# Altium PCB MEA_CLDP.PcbDoc (part 3 of 3)
Units mm, origin at the board's own origin, x right, y up, seen from the top; angles counter-clockwise.
Board outline 188.25 x 87.5 mm, 4 copper layers (Top Copper Layer, Internal Copper Layer 1, Internal Copper Layer 2, Bottom Copper Layer), stack 1.58 mm thick; 138 components, 326 nets, 1047 pads, 188 vias.
Unrouted connection lines stored in the file: 1.
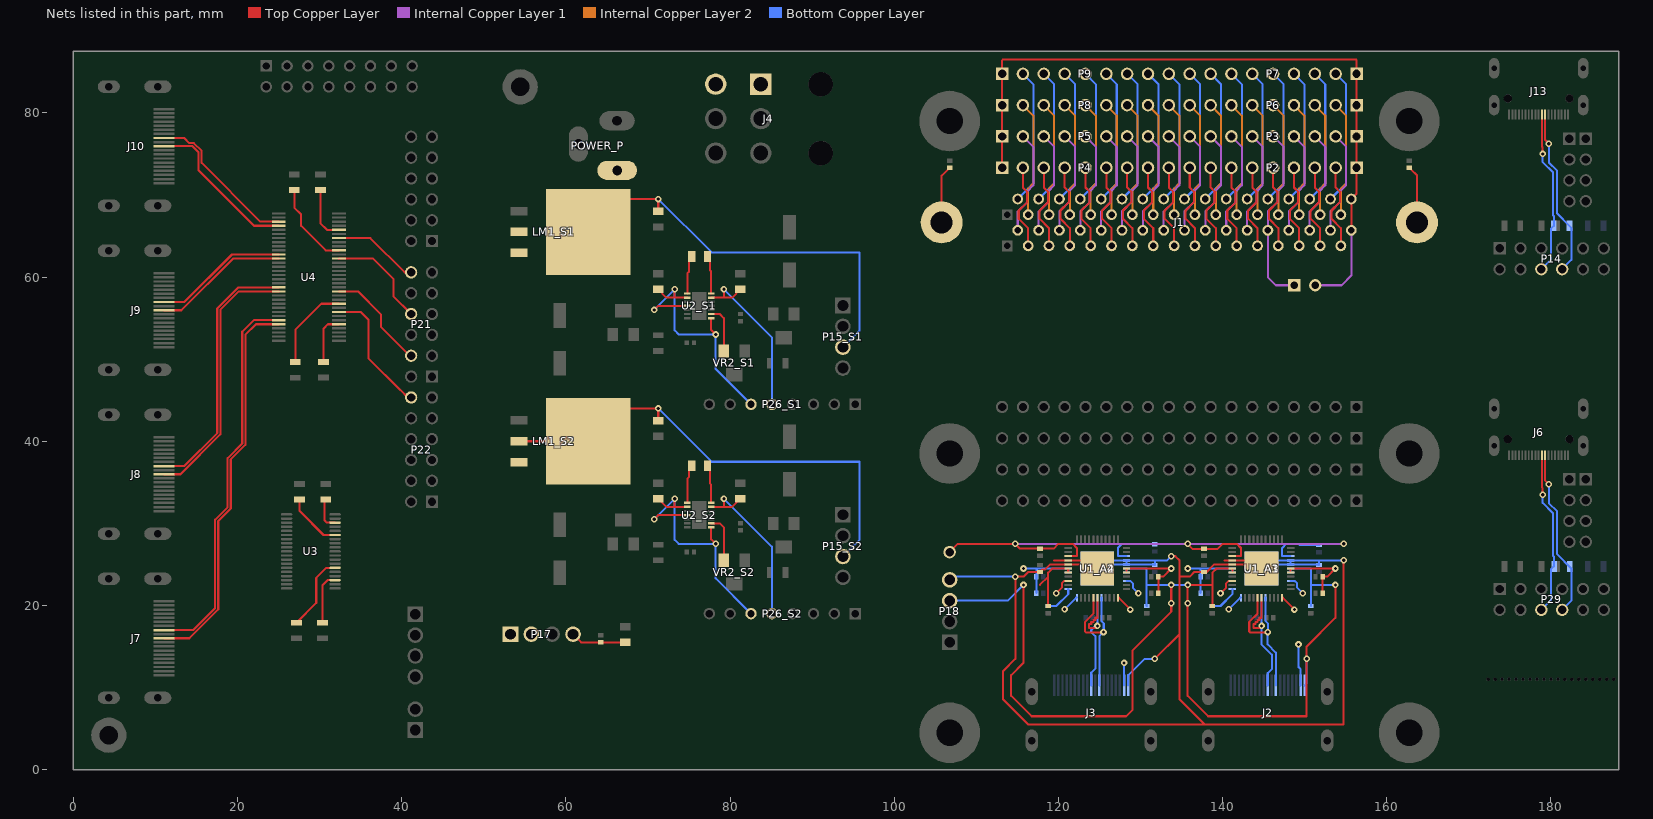
[diagram p5: the nets of this part, all layers, seen from the top]

## Via types
v1: diameter 0.8, hole 0.4, Top Copper Layer to Bottom Copper Layer, 101 vias
v2: diameter 1.27, hole 0.711, Top Copper Layer to Bottom Copper Layer, 67 vias
v3: diameter 0.6, hole 0.25, Top Copper Layer to Bottom Copper Layer, 20 vias

## Nets (pads, with @x,y where several pads share a name; then routed paths per layer and width w, separated by ;. In a path a pad name is that pad's centre, name@x,y a point inside that pad or via, vN(x,y) a via of type N, cw(c..) or ccw(c..) an arc to the next point about the centre after c; other vN are vias at no path point) (continued)
NetC2_A3_2: C2_A3.2 U1_A3.23 | length 3.7
  Bottom Copper Layer w0.25: C2_A3.2@138.75,19.93 139.75,19.93 141.2,21.38 U1_A3.23@141.2,22
NetC2_A4_2: C2_A4.2 U1_A4.23 | length 3.7
  Bottom Copper Layer w0.25: C2_A4.2@118.75,19.93 119.75,19.93 121.2,21.38 U1_A4.23@121.2,22
NetC10_S1_1: C10_S1.1 U2_S1.8 | length 4.7
  Top Copper Layer w0.25: U2_S1.8@74.798,58.003 74.798,60.452 75.025,60.68 75.025,62.178 C10_S1.1@75.35,62.503
NetC10_S1_2: C10_S1.2 U2_S1.7 | length 4.7
  Top Copper Layer w0.25: C10_S1.2@77.25,62.503 77.575,62.178 77.575,60.83 77.702,60.702 U2_S1.7@77.702,58.003
NetC10_S2_1: C10_S2.1 U2_S2.8 | length 4.7
  Top Copper Layer w0.25: U2_S2.8@74.798,32.503 74.798,35.452 75.025,35.68 75.025,36.678 C10_S2.1@75.35,37.003
NetC10_S2_2: C10_S2.2 U2_S2.7 | length 4.7
  Top Copper Layer w0.25: C10_S2.2@77.25,37.003 77.575,36.678 77.575,34.83 77.702,34.702 U2_S2.7@77.702,32.503
NetJ1_69: J1.69 R25.2 | length 7.1
  Top Copper Layer w0.25: R25.2@162.75,73.323 162.83,73.323 162.975,73.178 162.975,73.098 163.685,72.388 J1.69@163.685,66.656
NetJ1_70: J1.70 R26.2 | length 7.1
  Top Copper Layer w0.25: J1.70@105.775,66.656 105.775,72.348 106.525,73.098 106.525,73.178 106.67,73.323 R26.2@106.75,73.323
NetR1_1: R1.1 U4.5 | length 6.2
  Top Copper Layer w0.254: R1.1@30.48,49.657 30.48,53.721 31.013,54.254 U4.5@32.36,54.254
NetR2_1: R2.1 U4.10 | length 10.6
  Top Copper Layer w0.254: R2.1@27.051,49.652 27.051,53.594 30.211,56.754 U4.10@32.36,56.754
NetR6_1: R6.1 U3.36 | length 4
  Top Copper Layer w0.254: R6.1@30.734,32.898 30.607,32.771 30.607,30.353 30.877,30.083 U3.36@31.877,30.083
NetR10_1: R10.1 U4.23 | length 10.6
  Top Copper Layer w0.254: R10.1@26.924,70.612 26.924,68.44 27.742,67.622 27.742,66.238 30.726,63.254 U4.23@32.36,63.254
NetR11_1: R11.1 U3.33 | length 6.9
  Top Copper Layer w0.254: R11.1@27.559,32.898 27.559,31.504 30.48,28.583 U3.33@31.877,28.583
NetR14_1: R14.1 U4.28 | length 6.7
  Top Copper Layer w0.254: R14.1@30.099,70.612 30.099,66.548 30.893,65.754 U4.28@32.36,65.754
NetR15_1: R15.1 U3.25 | length 9.3
  Top Copper Layer w0.254: R15.1@27.178,17.902 29.591,20.315 29.591,23.368 30.806,24.583 U3.25@31.877,24.583
NetR16_1: R16.1 U3.22 | length 6.4
  Top Copper Layer w0.254: R16.1@30.353,17.902 30.353,22.479 30.957,23.083 U3.22@31.877,23.083
NetU2_S1_2: U2_S1.2 VR2_S1.3 | length 5.8
  Top Copper Layer w0.25: U2_S1.2@77.702,55.503 78.75,55.503 79.25,55.003 VR2_S1.3@79.25,51.003
NetU2_S2_2: U2_S2.2 VR2_S2.3 | length 5.8
  Top Copper Layer w0.25: U2_S2.2@77.702,30.003 78.75,30.003 79.25,29.503 VR2_S2.3@79.25,25.503
pcGND: C12.1 C13.1 P17.4 | length 6.8
  Top Copper Layer w0.25: P17.4@60.87,16.503 61.87,15.503 C13.1@64.25,15.503 C12.1@67.25,15.503
Power_in_S1: C8_S1.2 C8_S2.2 J4.1 J4.4 LM1_S1.3 LM1_S2.3 P17.1 P17.2 P26_S1.6 P26_S2.6 POWER_P.1 U2_S1.1 U2_S1.9 U2_S1.11 U2_S2.1 U2_S2.9 U2_S2.11 | length 70.9
  Top Copper Layer w0.25: v1(70.75,30.503) 71.25,31.003 U2_S2.11@74.798,31.003 ; v1(70.75,56.003) 71.25,56.503 U2_S1.11@74.798,56.503 ; C8_S2.2@71.25,33.003 72.25,32.003 73.25,32.003 ; C8_S1.2@71.25,58.503 72.25,57.503 73.25,57.503 ; v1(73.25,33.003) 73.25,32.003 ; v1(73.25,58.503) 73.25,57.503 ; U2_S2.9@74.798,32.003 73.25,32.003 ; U2_S1.9@74.798,57.503 73.25,57.503 ; U2_S2.1@77.702,29.503 77.702,28.051 v1(78.25,27.503) ; U2_S1.1@77.702,55.003 77.702,53.551 v1(78.25,53.003)
  Bottom Copper Layer w0.25: v1(70.75,30.503) v1(73.25,33.003) 73.25,28.003 73.75,27.503 v1(78.25,27.503) 78.25,23.303 P26_S2.6@82.55,19.003 ; v1(70.75,56.003) v1(73.25,58.503) 73.25,53.503 73.75,53.003 v1(78.25,53.003) 78.25,48.803 P26_S1.6@82.55,44.503
Power_neg_S1: C7_S1.2 P26_S1.5 U2_S1.6 | length 21.4
  Top Copper Layer w0.25: U2_S1.6@77.702,57.503 79.25,57.503 ; v1(79.25,58.503) 79.25,57.503 ; C7_S1.2@81.25,58.503 80.25,57.503 79.25,57.503
  Bottom Copper Layer w0.25: v1(79.25,58.503) 85.09,52.663 P26_S1.5@85.09,44.503
Power_neg_S2: C7_S2.2 P26_S2.5 U2_S2.6 | length 21.4
  Top Copper Layer w0.25: U2_S2.6@77.702,32.003 79.25,32.003 ; v1(79.25,33.003) 79.25,32.003 ; C7_S2.2@81.25,33.003 80.25,32.003 79.25,32.003
  Bottom Copper Layer w0.25: v1(79.25,33.003) 85.09,27.163 P26_S2.5@85.09,19.003
powerVDD_S1: C44_S1.2 LM1_S1.2 P15_S1.3 | length 51.2
  Top Copper Layer w0.25: LM1_S1.2@62.75,65.503 66.75,69.503 v1(71.25,69.503) C44_S1.2@71.25,68.003
  Bottom Copper Layer w0.25: v1(71.25,69.503) 77.75,63.003 95.75,63.003 95.75,53.463 P15_S1.3@93.75,51.463
powerVDD_S2: C44_S2.2 LM1_S2.2 P15_S2.3 | length 59.7
  Top Copper Layer w0.25: LM1_S2.2@54.3,40.003 LM1_S2.2@62.75,40.003 66.75,44.003 v1(71.25,44.003) C44_S2.2@71.25,42.503
  Bottom Copper Layer w0.25: v1(71.25,44.003) 77.75,37.503 95.75,37.503 95.75,27.963 P15_S2.3@93.75,25.963
Ref_Output: J1.1 J1.35 JP1.2 P2.1 P3.1 P4.1 P5.1 P6.1 P7.1 P8.1 P9.1 | length 87.7
  Top Copper Layer w0.25: P4.1@113.14,73.323 P5.1@113.14,77.133 P8.1@113.14,80.943 P9.1@113.14,84.753 113.14,86.393 113.25,86.503 156.25,86.503 156.32,86.433 P7.1@156.32,84.753 P6.1@156.32,80.943 P3.1@156.32,77.133 P2.1@156.32,73.323 156.32,70.148 J1.35@155.685,69.513 J1.1@155.685,65.703
  Internal Copper Layer 1 w0.25: JP1.2@151.29,59.003 154.5,59.003 155.685,60.188 J1.1@155.685,65.703
SCLK1_1_N: J13.12 P14.10 R18.1 | length 20.6
  Top Copper Layer w0.25: J13.12@179.3,79.8 179.3,76.7 v1(179.75,76.25)
  Bottom Copper Layer w0.25: v1(179.75,76.25) 179.75,73.957 180.75,72.957 180.75,67.75 R18.1@182.25,66.25 182.5,66 182.5,62.09 P14.10@181.37,60.96
SCLK1_1_P: J13.11 P14.9 R18.2 | length 20.1
  Top Copper Layer w0.25: J13.11@178.9,79.8 178.9,75.9 179,75.8 v1(179,75)
  Bottom Copper Layer w0.25: P14.9@178.83,60.96 180,62.13 180,65.9 R18.2@180.35,66.25 180.35,67.443 180.25,67.543 180.25,72.75 179,74 v1(179,75)
SCLK1_2_N: J6.12 P29.10 R23.1 | length 20.6
  Top Copper Layer w0.25: J6.12@179.3,38.3 179.3,35.2 v1(179.75,34.75)
  Bottom Copper Layer w0.25: v1(179.75,34.75) 179.75,32.457 180.75,31.457 180.75,26.25 182.5,24.5 182.5,20.59 P29.10@181.37,19.46
SCLK1_2_P: J6.11 P29.9 R23.2 | length 20.1
  Top Copper Layer w0.25: J6.11@178.9,38.3 178.9,34.4 179,34.3 v1(179,33.5)
  Bottom Copper Layer w0.25: P29.9@178.83,19.46 180,20.63 180,24.4 180.35,24.75 180.35,25.943 180.25,26.043 180.25,31.25 179,32.5 v1(179,33.5)
SCLK1_N: J7.12 U4.59 | length 47.4
  Top Copper Layer w0.254: J7.12@11.047,17.002 14.589,17.002 17.272,19.685 17.272,30.449 18.796,31.973 18.796,37.95 20.574,39.728 20.574,53.34 21.988,54.754 U4.59@25.019,54.754
SCLK1_P: J7.10 U4.60 | length 47.5
  Top Copper Layer w0.254: J7.10@11.047,16.002 14.128,16.002 17.653,19.527 17.653,30.291 19.177,31.815 19.177,37.792 20.955,39.57 20.955,52.959 22.25,54.254 U4.60@25.019,54.254
SCLK1_SE: P22.12 U4.8 | length 15.9
  Top Copper Layer w0.254: U4.8@32.36,55.754 35.02,55.754 35.941,54.833 35.941,50.134 39.847,46.228 39.878,46.228 40.767,45.339 P22.12@41.148,45.339
SCLK1h_N: J2.12 U1_A1.16 U1_A3.16 | length 18.1
  Top Copper Layer w0.25: U1_A1.16@144.25,20.95 144.25,19 143.25,18 143.25,16.82 143.345,16.725 145.46,16.725 v1(145.492,16.758)
  Bottom Copper Layer w0.25: U1_A3.16@145.25,20.95 145.25,20.375 145.25,18.096 145.525,17.821 145.525,16.79 v1(145.492,16.758) 145.492,15.258 146.5,14.25 J2.12@146.5,10.26
SCLK1h_P: J2.10 U1_A1.17 U1_A3.17 | length 17.3
  Top Copper Layer w0.25: v1(144.75,17.5) 144.5,17.25 143.75,17.25 143.75,17.75 144,17.75 144,18 144.25,18 144.25,18.25 144.5,18.25 144.5,18.5 144.75,18.5 U1_A1.17@144.75,20.95
  Bottom Copper Layer w0.25: U1_A3.17@144.75,20.95 144.75,20.375 v1(144.75,17.5) 144.75,17.111 144.717,17.079 144.717,15.283 146,14 146,12.25 145.5,11.75 J2.10@145.5,10.26 J2.10@145.5,10.25
SCLK2_N: J8.12 U4.51 | length 31.9
  Top Copper Layer w0.254: J8.12@11.047,36.983 13.519,36.983 17.526,40.99 17.526,56.169 20.111,58.754 U4.51@25.019,58.754
SCLK2_P: J8.10 U4.52 | length 32.1
  Top Copper Layer w0.254: J8.10@11.047,35.983 13.058,35.983 17.907,40.832 17.907,56.011 20.15,58.254 U4.52@25.019,58.254
SCLK2_SE: P21.4 U4.13 | length 12.9
  Top Copper Layer w0.254: U4.13@32.36,58.254 34.675,58.254 37.465,55.464 37.465,53.944 40.99,50.419 P21.4@41.148,50.419
SCLK2h_N: J3.12 U1_A2.16 U1_A4.16 | length 17.9
  Top Copper Layer w0.25: U1_A2.16@124.25,20.95 124.25,19 123.25,18 123.25,16.82 123.345,16.725 125.46,16.725 v1(125.492,16.758)
  Bottom Copper Layer w0.25: J3.12@125,10.26 125,16.265 v1(125.492,16.758) 125.525,16.79 125.525,17.821 125.25,18.096 125.25,20.375 U1_A4.16@125.25,20.95
SCLK2h_P: J3.10 U1_A2.17 U1_A4.17 | length 17.4
  Top Copper Layer w0.25: v1(124.75,17.5) 124.5,17.25 123.75,17.25 123.75,17.75 124,17.75 124,18 124.25,18 124.25,18.25 124.5,18.25 124.5,18.5 124.75,18.5 U1_A2.17@124.75,20.95
  Bottom Copper Layer w0.25: J3.10@124,10.26 124,11.81 124.5,12.31 124.5,16.25 124,16.75 124,17 124.5,17.5 v1(124.75,17.5) 124.75,20.375 U1_A4.17@124.75,20.95
SCLK3_N: J9.12 U4.43 | length 16.4
  Top Copper Layer w0.254: J9.12@11.047,56.965 13.531,56.965 19.32,62.754 U4.43@25.019,62.754
SCLK3_P: J9.10 U4.44 | length 16.6
  Top Copper Layer w0.254: J9.10@11.047,55.965 13.166,55.965 19.455,62.254 U4.44@25.019,62.254
SCLK3_SE: P21.8 U4.21 | length 12.9
  Top Copper Layer w0.254: U4.21@32.384,62.23 U4.21@32.36,62.254 36.521,62.254 38.989,59.786 38.989,57.658 P21.8@41.148,55.499
SCLK4_N: J10.12 U4.35 | length 19
  Top Copper Layer w0.254: J10.12@11.047,76.946 13.491,76.946 14.11,76.327 14.667,76.327 15.621,75.373 15.621,73.914 22.781,66.754 U4.35@25.019,66.754
SCLK4_P: J10.10 U4.36 | length 19.3
  Top Copper Layer w0.254: J10.10@11.047,75.946 14.509,75.946 15.24,75.215 15.24,73.025 22.011,66.254 U4.36@25.019,66.254
SCLK4_SE: P21.12 U4.26 | length 10.5
  Top Copper Layer w0.254: U4.26@32.36,64.754 36.176,64.754 40.351,60.579 P21.12@41.148,60.579
SIG0: J1.2 P2.2 | length 10.6
  Top Copper Layer w0.25: P2.2@153.78,73.323 153.78,70.91 154.288,70.402 154.288,69.132 153.272,68.116 153.272,67.1 154.415,65.957 J1.2@154.415,63.798
SIG1: J1.36 P6.2 | length 14.1
  Internal Copper Layer 2 w0.25: P6.2@153.78,80.943 155.05,79.673 155.05,71.418 154.415,70.783 J1.36@154.415,67.608
SIG2: J1.3 P3.2 | length 12.7
  Internal Copper Layer 1 w0.25: J1.3@153.145,65.703 153.145,67.989 154.288,69.132 154.288,70.402 155.05,71.164 155.05,75.863 P3.2@153.78,77.133
SIG3: J1.37 P7.2 | length 16.6
  Bottom Copper Layer w0.25: J1.37@153.145,69.513 155.05,71.418 155.05,83.483 P7.2@153.78,84.753
SIG4: J1.4 P2.3 | length 10.6
  Top Copper Layer w0.25: P2.3@151.24,73.323 151.24,70.91 151.748,70.402 151.748,69.132 150.732,68.116 150.732,67.1 151.875,65.957 J1.4@151.875,63.798
SIG5: J1.38 P6.3 | length 14.1
  Internal Copper Layer 2 w0.25: P6.3@151.24,80.943 152.51,79.673 152.51,71.418 151.875,70.783 J1.38@151.875,67.608
SIG6: J1.5 P3.3 | length 12.7
  Internal Copper Layer 1 w0.25: J1.5@150.605,65.703 150.605,67.989 151.748,69.132 151.748,70.402 152.51,71.164 152.51,75.863 P3.3@151.24,77.133
SIG7: J1.39 P7.3 | length 16.6
  Bottom Copper Layer w0.25: J1.39@150.605,69.513 152.51,71.418 152.51,83.483 P7.3@151.24,84.753
SIG8: J1.6 P2.4 | length 10.6
  Top Copper Layer w0.25: P2.4@148.7,73.323 148.7,70.91 149.208,70.402 149.208,69.132 148.192,68.116 148.192,67.1 149.335,65.957 J1.6@149.335,63.798
SIG9: J1.40 P6.4 | length 14.1
  Internal Copper Layer 2 w0.25: P6.4@148.7,80.943 149.97,79.673 149.97,71.418 149.335,70.783 J1.40@149.335,67.608
SIG10: J1.7 P3.4 | length 12.7
  Internal Copper Layer 1 w0.25: J1.7@148.065,65.703 148.065,67.989 149.208,69.132 149.208,70.402 149.97,71.164 149.97,75.863 P3.4@148.7,77.133
SIG11: J1.41 P7.4 | length 16.6
  Bottom Copper Layer w0.25: J1.41@148.065,69.513 149.97,71.418 149.97,83.483 P7.4@148.7,84.753
SIG12: J1.8 P2.5 | length 10.6
  Top Copper Layer w0.25: P2.5@146.16,73.323 146.16,70.91 146.668,70.402 146.668,69.132 145.652,68.116 145.652,67.1 146.795,65.957 J1.8@146.795,63.798
SIG13: J1.42 P6.5 | length 14.1
  Internal Copper Layer 2 w0.25: P6.5@146.16,80.943 147.43,79.673 147.43,71.418 146.795,70.783 J1.42@146.795,67.608
SIG14: J1.9 JP1.1 P3.5 | length 22.1
  Internal Copper Layer 1 w0.25: P3.5@146.16,77.133 147.43,75.863 147.43,71.164 146.668,70.402 146.668,69.132 145.525,67.989 J1.9@145.525,65.703 145.525,59.978 146.5,59.003 JP1.1@148.75,59.003
SIG15: J1.43 P7.5 | length 16.6
  Bottom Copper Layer w0.25: J1.43@145.525,69.513 147.43,71.418 147.43,83.483 P7.5@146.16,84.753
SIG16: J1.10 P2.6 | length 10.6
  Top Copper Layer w0.25: P2.6@143.62,73.323 143.62,70.91 144.128,70.402 144.128,69.132 143.112,68.116 143.112,67.1 144.255,65.957 J1.10@144.255,63.798
SIG17: J1.44 P6.6 | length 14.1
  Internal Copper Layer 2 w0.25: P6.6@143.62,80.943 144.89,79.673 144.89,71.418 144.255,70.783 J1.44@144.255,67.608
SIG18: J1.11 P3.6 | length 12.7
  Internal Copper Layer 1 w0.25: J1.11@142.985,65.703 142.985,67.989 144.128,69.132 144.128,70.402 144.89,71.164 144.89,75.863 P3.6@143.62,77.133
SIG19: J1.45 P7.6 | length 16.6
  Bottom Copper Layer w0.25: J1.45@142.985,69.513 144.89,71.418 144.89,83.483 P7.6@143.62,84.753
SIG20: J1.12 P2.7 | length 10.6
  Top Copper Layer w0.25: P2.7@141.08,73.323 141.08,70.91 141.588,70.402 141.588,69.132 140.572,68.116 140.572,67.1 141.715,65.957 J1.12@141.715,63.798
SIG21: J1.46 P6.7 | length 14.1
  Internal Copper Layer 2 w0.25: P6.7@141.08,80.943 142.35,79.673 142.35,71.418 141.715,70.783 J1.46@141.715,67.608
SIG22: J1.13 P3.7 | length 12.7
  Internal Copper Layer 1 w0.25: J1.13@140.445,65.703 140.445,67.989 141.588,69.132 141.588,70.402 142.35,71.164 142.35,75.863 P3.7@141.08,77.133
SIG23: J1.47 P7.7 | length 16.6
  Bottom Copper Layer w0.25: J1.47@140.445,69.513 142.35,71.418 142.35,83.483 P7.7@141.08,84.753
SIG24: J1.14 P2.8 | length 10.6
  Top Copper Layer w0.25: P2.8@138.54,73.323 138.54,70.91 139.048,70.402 139.048,69.132 138.032,68.116 138.032,67.1 139.175,65.957 J1.14@139.175,63.798
SIG25: J1.48 P6.8 | length 14.1
  Internal Copper Layer 2 w0.25: P6.8@138.54,80.943 139.81,79.673 139.81,71.418 139.175,70.783 J1.48@139.175,67.608
SIG26: J1.15 P3.8 | length 12.7
  Internal Copper Layer 1 w0.25: J1.15@137.905,65.703 137.905,67.989 139.048,69.132 139.048,70.402 139.81,71.164 139.81,75.863 P3.8@138.54,77.133
SIG27: J1.49 P7.8 | length 16.6
  Bottom Copper Layer w0.25: J1.49@137.905,69.513 139.81,71.418 139.81,83.483 P7.8@138.54,84.753
SIG28: J1.16 P2.9 | length 10.6
  Top Copper Layer w0.25: P2.9@136,73.323 136,70.91 136.508,70.402 136.508,69.132 135.492,68.116 135.492,67.1 136.635,65.957 J1.16@136.635,63.798
SIG29: J1.50 P6.9 | length 14.1
  Internal Copper Layer 2 w0.25: P6.9@136,80.943 137.27,79.673 137.27,71.418 136.635,70.783 J1.50@136.635,67.608
SIG30: J1.17 P3.9 | length 12.7
  Internal Copper Layer 1 w0.25: J1.17@135.365,65.703 135.365,67.989 136.508,69.132 136.508,70.402 137.27,71.164 137.27,75.863 P3.9@136,77.133
SIG31: J1.51 P7.9 | length 16.6
  Bottom Copper Layer w0.25: J1.51@135.365,69.513 137.27,71.418 137.27,83.483 P7.9@136,84.753
SIG32: J1.18 P4.9 | length 10.6
  Top Copper Layer w0.25: P4.9@133.46,73.323 133.46,70.91 133.968,70.402 133.968,69.132 132.952,68.116 132.952,67.1 134.095,65.957 J1.18@134.095,63.798
SIG33: J1.52 P8.9 | length 14.1
  Internal Copper Layer 2 w0.25: P8.9@133.46,80.943 134.73,79.673 134.73,71.418 134.095,70.783 J1.52@134.095,67.608
SIG34: J1.19 P5.9 | length 12.7
  Internal Copper Layer 1 w0.25: J1.19@132.825,65.703 132.825,67.989 133.968,69.132 133.968,70.402 134.73,71.164 134.73,75.863 P5.9@133.46,77.133
SIG35: J1.53 P9.9 | length 16.6
  Bottom Copper Layer w0.25: J1.53@132.825,69.513 134.73,71.418 134.73,83.483 P9.9@133.46,84.753
SIG36: J1.20 P4.8 | length 10.6
  Top Copper Layer w0.25: P4.8@130.92,73.323 130.92,70.91 131.428,70.402 131.428,69.132 130.412,68.116 130.412,67.1 131.555,65.957 J1.20@131.555,63.798
SIG37: J1.54 P8.8 | length 14.1
  Internal Copper Layer 2 w0.25: P8.8@130.92,80.943 132.19,79.673 132.19,71.418 131.555,70.783 J1.54@131.555,67.608
SIG38: J1.21 P5.8 | length 12.7
  Internal Copper Layer 1 w0.25: J1.21@130.285,65.703 130.285,67.989 131.428,69.132 131.428,70.402 132.19,71.164 132.19,75.863 P5.8@130.92,77.133
SIG39: J1.55 P9.8 | length 16.6
  Bottom Copper Layer w0.25: J1.55@130.285,69.513 132.19,71.418 132.19,83.483 P9.8@130.92,84.753
SIG40: J1.22 P4.7 | length 10.6
  Top Copper Layer w0.25: P4.7@128.38,73.323 128.38,70.91 128.888,70.402 128.888,69.132 127.872,68.116 127.872,67.1 129.015,65.957 J1.22@129.015,63.798
SIG41: J1.56 P8.7 | length 14.1
  Internal Copper Layer 2 w0.25: P8.7@128.38,80.943 129.65,79.673 129.65,71.418 129.015,70.783 J1.56@129.015,67.608
SIG42: J1.23 P5.7 | length 12.7
  Internal Copper Layer 1 w0.25: J1.23@127.745,65.703 127.745,67.989 128.888,69.132 128.888,70.402 129.65,71.164 129.65,75.863 P5.7@128.38,77.133
SIG43: J1.57 P9.7 | length 16.6
  Bottom Copper Layer w0.25: J1.57@127.745,69.513 129.65,71.418 129.65,83.483 P9.7@128.38,84.753
SIG44: J1.24 P4.6 | length 10.6
  Top Copper Layer w0.25: P4.6@125.84,73.323 125.84,70.91 126.348,70.402 126.348,69.132 125.332,68.116 125.332,67.1 126.475,65.957 J1.24@126.475,63.798
SIG45: J1.58 P8.6 | length 14.1
  Internal Copper Layer 2 w0.25: P8.6@125.84,80.943 127.11,79.673 127.11,71.418 126.475,70.783 J1.58@126.475,67.608
SIG46: J1.25 P5.6 | length 12.7
  Internal Copper Layer 1 w0.25: J1.25@125.205,65.703 125.205,67.989 126.348,69.132 126.348,70.402 127.11,71.164 127.11,75.863 P5.6@125.84,77.133
SIG47: J1.59 P9.6 | length 16.6
  Bottom Copper Layer w0.25: J1.59@125.205,69.513 127.11,71.418 127.11,83.483 P9.6@125.84,84.753
SIG48: J1.26 P4.5 | length 10.6
  Top Copper Layer w0.25: P4.5@123.3,73.323 123.3,70.91 123.808,70.402 123.808,69.132 122.792,68.116 122.792,67.1 123.935,65.957 J1.26@123.935,63.798
SIG49: J1.60 P8.5 | length 14.1
  Internal Copper Layer 2 w0.25: P8.5@123.3,80.943 124.57,79.673 124.57,71.418 123.935,70.783 J1.60@123.935,67.608
SIG50: J1.27 P5.5 | length 12.7
  Internal Copper Layer 1 w0.25: J1.27@122.665,65.703 122.665,67.989 123.808,69.132 123.808,70.402 124.57,71.164 124.57,75.863 P5.5@123.3,77.133
SIG51: J1.61 P9.5 | length 16.6
  Bottom Copper Layer w0.25: J1.61@122.665,69.513 124.57,71.418 124.57,83.483 P9.5@123.3,84.753
SIG52: J1.28 P4.4 | length 10.6
  Top Copper Layer w0.25: P4.4@120.76,73.323 120.76,70.91 121.268,70.402 121.268,69.132 120.252,68.116 120.252,67.1 121.395,65.957 J1.28@121.395,63.798
SIG53: J1.62 P8.4 | length 14.1
  Internal Copper Layer 2 w0.25: P8.4@120.76,80.943 122.03,79.673 122.03,71.418 121.395,70.783 J1.62@121.395,67.608
SIG54: J1.29 P5.4 | length 12.7
  Internal Copper Layer 1 w0.25: J1.29@120.125,65.703 120.125,67.989 121.268,69.132 121.268,70.402 122.03,71.164 122.03,75.863 P5.4@120.76,77.133
SIG55: J1.63 P9.4 | length 16.6
  Bottom Copper Layer w0.25: J1.63@120.125,69.513 122.03,71.418 122.03,83.483 P9.4@120.76,84.753
SIG56: J1.30 P4.3 | length 10.6
  Top Copper Layer w0.25: P4.3@118.22,73.323 118.22,70.91 118.728,70.402 118.728,69.132 117.712,68.116 117.712,67.1 118.855,65.957 J1.30@118.855,63.798
SIG57: J1.64 P8.3 | length 14.1
  Internal Copper Layer 2 w0.25: P8.3@118.22,80.943 119.49,79.673 119.49,71.418 118.855,70.783 J1.64@118.855,67.608
SIG58: J1.31 P5.3 | length 12.7
  Internal Copper Layer 1 w0.25: J1.31@117.585,65.703 117.585,67.989 118.728,69.132 118.728,70.402 119.49,71.164 119.49,75.863 P5.3@118.22,77.133
SIG59: J1.65 P9.3 | length 16.6
  Bottom Copper Layer w0.25: J1.65@117.585,69.513 119.49,71.418 119.49,83.483 P9.3@118.22,84.753
SIG60: J1.32 P4.2 | length 10.6
  Top Copper Layer w0.25: P4.2@115.68,73.323 115.68,70.91 116.188,70.402 116.188,69.132 115.172,68.116 115.172,67.1 116.315,65.957 J1.32@116.315,63.798
SIG61: J1.66 P8.2 | length 14.1
  Internal Copper Layer 2 w0.25: P8.2@115.68,80.943 116.95,79.673 116.95,71.418 116.315,70.783 J1.66@116.315,67.608
SIG62: J1.33 P5.2 | length 12.7
  Internal Copper Layer 1 w0.25: J1.33@115.045,65.703 115.045,67.989 116.188,69.132 116.188,70.402 116.95,71.164 116.95,75.863 P5.2@115.68,77.133
SIG63: J1.67 P9.2 | length 16.6
  Bottom Copper Layer w0.25: J1.67@115.045,69.513 116.95,71.418 116.95,83.483 P9.2@115.68,84.753
VDD: C1_A1.2 C1_A2.2 C1_A3.2 C1_A4.2 J2.18 J3.18 R7_A1.2 R7_A2.2 R7_A3.2 R7_A4.2 U1_A1.9 U1_A1.22 U1_A1.27 U1_A1.28 U1_A2.9 U1_A2.22 U1_A2.27 U1_A2.28 U1_A3.9 U1_A3.22 U1_A3.27 U1_A3.28 U1_A4.9 U1_A4.22 U1_A4.27 U1_A4.28 | length 63.6
  Top Copper Layer w0.25: v1(119.75,21.5) 120.425,22.175 120.425,22.689 120.736,23 U1_A2.9@121.2,23 ; U1_A2.22@127.25,20.95 127.35,20.95 128.75,19.55 v1(128.75,19.5) ; U1_A2.27@128.3,24 U1_A2.28@128.3,24.5 v1(133.75,24.5) 132.75,23.5 R7_A2.2@132.18,23.5 C1_A2.2@132.18,21.5 ; v1(139.75,21.5) 140.425,22.175 140.425,22.689 140.736,23 U1_A1.9@141.2,23 ; U1_A1.22@147.25,20.95 147.35,20.95 148.75,19.55 v1(148.75,19.5) ; U1_A1.27@148.3,24 U1_A1.28@148.3,24.5 v1(153.75,24.5) 152.75,23.5 R7_A1.2@152.18,23.5 C1_A1.2@152.18,21.5
  Bottom Copper Layer w0.25: v1(115.75,24.5) 117.5,24.5 ; C1_A4.2@117.32,21.5 R7_A4.2@117.32,23.5 117.32,24.32 117.5,24.5 ; v1(120.75,19.55) 122.15,20.95 U1_A4.22@122.25,20.95 ; U1_A4.27@121.2,24 U1_A4.28@121.2,24.5 117.5,24.5 ; J3.18@128,10.26 v1(128,13) ; U1_A4.9@128.3,23 128.764,23 129.075,22.689 129.075,22.175 v1(129.75,21.5) ; v1(135.75,24.5) 137.32,24.5 ; C1_A3.2@137.32,21.5 137.32,24.5 ; v1(140.75,19.55) 142.15,20.95 U1_A3.22@142.25,20.95 ; U1_A3.27@141.2,24 U1_A3.28@141.2,24.5 137.32,24.5 ; U1_A3.9@148.3,23 148.764,23 149.075,22.689 149.075,22.175 v1(149.75,21.5) ; v1(149.25,15.25) 149.25,12.5 149.5,12.25 J2.18@149.5,10.26
Vref: pad.2 R20_A1.1 R20_A2.1 R20_A3.1 R20_A4.1 U1_A1.3 U1_A2.3 U1_A3.3 U1_A4.3 | length 88.6
  Top Copper Layer w0.25: pad.2@106.75,26.5 107.75,27.5 v1(114.75,27.5) 115.32,26.93 R20_A4.1@117.75,26.93 119.43,26.93 120,27.5 121.75,27.5 122.25,27 122.25,26 U1_A2.3@121.2,26 ; v1(135.75,27.5) 136.39,26.86 139.36,26.86 140,27.5 141.75,27.5 142.25,27 142.25,26 U1_A1.3@141.2,26
  Internal Copper Layer 1 w0.25: v1(114.75,27.5) v1(135.75,27.5) v1(154.75,27.5)
  Bottom Copper Layer w0.25: U1_A4.3@128.3,26 127.25,26 127.25,27 127.75,27.5 v1(135.75,27.5) ; U1_A3.3@148.3,26 147.25,26 147.25,27 147.75,27.5 149.25,27.5 149.39,27.36 R20_A3.1@151.75,27.36 151.89,27.5 v1(154.75,27.5)
VSTIM+: C3_A1.2 C3_A2.2 C3_A3.2 C3_A4.2 J2.19 P18.3 U1_A1.6 U1_A1.7 U1_A2.6 U1_A2.7 U1_A3.6 U1_A3.7 U1_A4.6 U1_A4.7 | length 149
  Top Copper Layer w0.25: v1(115.75,22.5) 115.75,13 114.25,11.5 114.25,9 116.75,6.5 128.25,6.5 129,7.25 129,14.5 133.75,19.25 v1(133.75,20.25) v1(133.75,22.5) ; 117.75,22.5 118.75,23.5 ; C3_A2.2@118.75,19.93 118.75,24 119.25,24.5 U1_A2.6@121.2,24.5 U1_A2.7@121.2,24 ; C3_A1.2@138.75,19.93 138.75,22.5 ; U1_A1.7@141.2,24 U1_A1.6@141.2,24.5 139.26,24.5 138.75,23.99 138.75,22.5 ; v1(153.75,22.5) 153.75,18.5 150.25,15 v1(150.25,13.5) 150.25,6.5 138.25,6.5 135.75,9 v1(135.75,20.25) v1(135.75,22.5) 138.75,22.5
  Bottom Copper Layer w0.25: P18.3@106.75,20.58 113.83,20.58 v1(115.75,22.5) ; U1_A4.7@128.3,24 U1_A4.6@128.3,24.5 130.75,24.5 ; C3_A4.2@130.75,19.93 130.75,22.5 ; 130.75,24.5 130.75,22.5 ; v1(135.75,22.5) v1(133.75,22.5) 130.75,22.5 ; U1_A3.7@148.3,24 U1_A3.6@148.3,24.5 150.75,24.5 150.75,23 150.75,22.5 ; J2.19@150,10.26 150.25,10.51 v1(150.25,13.5) ; C3_A3.2@150.75,19.93 150.75,22.5 ; v1(153.75,22.5) 150.75,22.5
VSTIM-: C4_A1.2 C4_A2.2 C4_A3.2 C4_A4.2 J3.19 P18.4 U1_A1.4 U1_A1.5 U1_A1.CENTER U1_A2.4 U1_A2.5 U1_A2.CENTER U1_A3.4 U1_A3.5 U1_A3.CENTER U1_A4.4 U1_A4.5 U1_A4.CENTER | length 184.6
  Top Copper Layer w0.25: 119.49,25.5 U1_A2.4@121.2,25.5 123.75,25.5 U1_A2.CENTER@124.25,25 ; U1_A2.CENTER@124.75,24.5 U1_A2.CENTER@124.25,25 ; v1(131.75,13.5) 134.75,16.5 ; v1(133.75,26) 134.25,26 134.75,25.5 134.75,23.5 ; 140.25,25.5 143.75,25.5 U1_A1.CENTER@144.25,25 ; U1_A1.CENTER@144.75,24.5 U1_A1.CENTER@144.25,25 ; v1(154.75,25.5) 154.75,5.5 137.836,5.5 ; U1_A2.CENTER@124.25,25 U1_A2.5@121.2,25 118.99,25 118.375,24.385 118.065,24.385 C4_A2.2@117.75,24.07 116.32,24.07 115.75,23.5 v1(114.75,23.5) 114.75,13.5 113.25,12 113.25,8.586 116.336,5.5 137.836,5.5 ; 134.75,16.5 134.75,8.586 137.836,5.5 ; 134.75,16.5 134.75,23.5 ; 134.75,23.5 136,23.5 136.57,24.07 C4_A1.2@137.75,24.07 138.07,24.07 139,25 U1_A1.5@141.2,25 U1_A1.CENTER@144.25,25
  Bottom Copper Layer w0.25: P18.4@106.75,23.12 107.13,23.5 v1(114.75,23.5) ; U1_A4.CENTER@124.75,24.5 U1_A4.CENTER@125.25,25 ; J3.19@128.5,10.26 128.5,11.5 130.5,13.5 v1(131.75,13.5) ; v1(133.75,26) 133.25,25.5 131.75,25.5 ; U1_A3.CENTER@144.75,24.5 U1_A3.CENTER@145.25,25 ; v1(154.75,25.5) 151.75,25.5 ; U1_A4.CENTER@125.25,25 125.75,25.5 U1_A4.4@128.3,25.5 ; U1_A4.CENTER@125.25,25 U1_A4.5@128.3,25 ; U1_A4.5@128.3,25 131.68,25 C4_A4.2@131.75,24.93 131.75,25.5 ; U1_A4.5@128.3,25 U1_A4.4@128.3,25.5 ; U1_A4.4@128.3,25.5 131.75,25.5 ; U1_A3.CENTER@145.25,25 145.75,25.5 U1_A3.4@148.3,25.5 ; U1_A3.CENTER@145.25,25 U1_A3.5@148.3,25 ; U1_A3.5@148.3,25 151.68,25 C4_A3.2@151.75,24.93 151.75,25.5 ; U1_A3.5@148.3,25 U1_A3.4@148.3,25.5 ; U1_A3.4@148.3,25.5 151.18,25.5 151.75,25.5
pads on no net: J1.34 J1.68 J4.2 J4.5 J4.M1 J4.M2 J6.None J6.S1 J6.S2 J6.S3 J6.S4 J13.None J13.S1 J13.S2 J13.S3 J13.S4 U1_A1.10 U1_A1.11 U1_A1.12 U1_A2.10 U1_A2.11 U1_A2.12 U1_A3.10 U1_A3.11 U1_A3.12 U1_A4.10 U1_A4.11 U1_A4.12

## Polygon pours and split planes (outlines as drawn)
lcGND on Bottom Copper Layer "Bottom Layer-cGND" (solid, pour order 639): 8.382,0 45.085,0 45.085,9.525 11.353,9.525 4.406,9.525 4.406,22.479 11.938,22.479 11.938,29.464 4.406,29.464 4.406,43.233 11.811,43.233 11.811,49.53 4.406,49.53 4.406,63.263 4.454,63.215 11.938,63.215 11.938,69.469 4.406,69.469 4.406,82.423 11.938,82.423 11.938,87.5 0,87.5 0,0 4.318,0
VSTIM+ on Bottom Copper Layer "Bottom Layer-VSTIM+" (solid, pour order 563): 116.75,23.5 116.75,21.5 114.75,19.5 104.75,19.5 104.75,22 113.25,22 113.75,22.5 115.188,22.5 115.749,23.061 115.75,23.061 115.75,23.5
powerVDD_S2 on Bottom Copper Layer "Top Layer-Power-PowerVDD" (solid, pour order 588): 91.75,24.503 96.75,24.503 96.75,42.503 76.25,42.503 76.25,46.003 69.25,46.003 69.25,37.003 95.25,37.003 95.25,27.503 91.75,27.503
powerVDD_S1 on Bottom Copper Layer "Top Layer-Power-PowerVDD" (solid, pour order 581): 91.75,50.003 96.75,50.003 96.75,71.503 69.25,71.503 69.25,62.503 95.25,62.503 95.25,53.003 91.75,53.003
LDO+_S1 on Bottom Copper Layer "Top Layer-Power-LDO+" (solid, pour order 578): 62.25,54.503 64.75,54.503 69.75,59.503 79.75,59.503 84.25,55.003 95.25,55.003 95.25,62.503 62.25,62.503
LDO+_S2 on Bottom Copper Layer "Top Layer-Power-LDO+" (solid, pour order 577): 62.25,29.003 64.75,29.003 69.75,34.003 79.75,34.003 84.25,29.503 95.25,29.503 95.25,37.003 62.25,37.003
VSTIM- on Bottom Copper Layer "Bottom Layer-VSTIM-" (solid, pour order 559): 121.75,27.5 121.75,21.504 127.746,21.504 127.688,21.562 127.688,24.875 130.75,24.875 131.025,24.5 134.75,24.5 134.75,27 133.354,27 132.114,25.76 127.735,25.76 127.735,27.485 127.75,27.5
VSTIM+ on Bottom Copper Layer "Bottom Layer-VSTIM+" (solid, pour order 560): 147.688,24.875 150.875,24.875 151.25,24.5 151.25,23.5 152.25,23.5 152.5,23.5 152.25,23.5 154.5,23.5 154.5,21.75 154.5,21.5 154.5,19.5 149.75,19.5 149.75,23.75 149,23.75 147.688,23.75
VSTIM+ on Bottom Copper Layer "Bottom Layer-VSTIM+" (solid, pour order 561): 134.5,23.5 131.25,23.5 131.25,24.5 130.875,24.875 127.688,24.875 127.688,23.75 129.75,23.75 129.75,19.5 136.5,19.5 136.5,21.75 136.5,23.25 134.5,23.25
VSTIM- on Bottom Copper Layer "Bottom Layer-VSTIM-" (solid, pour order 562): 104.75,22 104.75,25 115.75,25 115.75,23.061 115.189,22.5 113.75,22.5 113.25,22
VSTIM- on Bottom Copper Layer "Bottom Layer-VSTIM-" (solid, pour order 564): 141.75,27.5 141.75,21.504 147.746,21.504 147.688,21.562 147.688,24.875 150.75,24.875 151.025,24.5 155.75,24.5 155.75,26.5 153.75,26.5 153.01,25.76 147.735,25.76 147.735,27.485 147.75,27.5
GND on Bottom Copper Layer "Bottom Layer-GND" (solid, pour order 565): 167,0 102.5,0 102.5,27.5 167,27.5
Power_in_S1 on Bottom Copper Layer "Top Layer-Power-PowerIn" (solid, pour order 582): 69.75,29.253 69.75,34.003 74,34.003 74.014,33.989 74.014,28.517 74,28.503 80.75,28.503 83.75,25.503 83.75,17.503 81.25,17.503 81.25,18.503 73.25,26.503 73,26.753 72.5,27.253 72.5,29.253
Power_in_S1 on Bottom Copper Layer "Top Layer-Power-PowerIn" (solid, pour order 583): 69.75,54.753 69.75,59.503 74,59.503 74.014,59.489 74.014,54.017 74,54.003 80.75,54.003 83.75,51.003 83.75,43.003 81.25,43.003 81.25,44.003 73.25,52.003 73,52.253 72.5,52.753 72.5,54.753
EPAD_S1 on Bottom Copper Layer "Top Layer-Power-PowerGND" (solid, pour order 589): 50.25,87.503 97.5,87.503 97.5,12.503 50.25,12.503
abGND on Bottom Copper Layer "Top Layer-HDMI-GND" (solid, pour order 607): 188.25,46 188.25,17.5 172,17.5 172,46
bGND on Bottom Copper Layer "Top Layer-HDMI-GND" (solid, pour order 608): 188.25,87.5 188.25,51 172,51 172,87.5
no net on Top Copper Layer "Top Layer-No Net 2" (solid, pour order 635): 32.36,52.254 25.019,52.254 24.892,52.381 24.892,67.754 32.36,67.754 32.385,67.779
lcGND on Top Copper Layer "Top Layer-cGND" (solid, pour order 633): 0,0 4.318,0 8.382,0 45.085,0 45.085,9.525 11.348,9.525 4.406,9.525 4.406,22.479 11.938,22.479 11.938,29.464 4.406,29.464 4.406,43.233 11.811,43.233 11.811,49.53 4.406,49.53 4.406,63.263 4.454,63.215 11.938,63.215 11.938,69.469 4.406,69.469 4.406,82.423 11.938,82.423 11.938,87.5 0,87.5
LDO-_S1 on Top Copper Layer "Top Layer-Power-LDO-" (solid, pour order 580): 80.25,57.003 81.75,57.003 84.75,54.003 86.25,54.003 86.25,54.503 86.75,55.003 86.75,56.503 89.25,56.503 89.25,52.503 95.25,52.503 95.25,55.503 92.25,55.503 92.25,59.503 82.25,59.503 82.25,57.675 80.922,57.675
LDO-_S2 on Top Copper Layer "Top Layer-Power-LDO-" (solid, pour order 579): 80.25,31.503 81.75,31.503 84.75,28.503 86.25,28.503 86.25,29.003 86.75,29.503 86.75,31.003 89.25,31.003 89.25,27.003 95.25,27.003 95.25,30.003 92.25,30.003 92.25,34.003 82.25,34.003 82.25,32.175 80.922,32.175
VSTIM- on Top Copper Layer "Top Layer-VSTIM-" (solid, pour order 558): 135.203,23.5 135.203,26.953 135.25,27 132.75,27 132.75,25 132.768,25.018 133.965,25.018 133.965,24.027 134.492,23.5
VSTIM+ on Top Copper Layer "Top Layer-VSTIM+" (solid, pour order 554): 121.75,24.75 119,24.75 118.25,24 118.25,23.5 116.75,23.5 116.75,23 115.25,23 115.25,12.75 114,11.5 114,7.836 115.836,6 117.75,6 130.25,6 130.25,14 134.25,18 134.25,23 132.75,23 132.75,20.75 131.75,20.75 131.75,17.25 128.5,14 128.5,8.25 117.5,8.25 117.5,12.5 117.5,19.25 117.75,19.5 119.25,19.5 119.25,23.75 121.75,23.75
bVSTIM- on Top Copper Layer "Top Layer-HDMI-bVSTIM-" (solid, pour order 592): 182,80.75 187.25,80.75 187.25,70.5 181,70.5 181,73.25 185.25,73.25 185.25,78.25 182,78.25
powerVDD_S2 on Top Copper Layer "Top Layer-Power-PowerVDD" (solid, pour order 575): 52.9,39.003 52.9,41.003 56.75,41.003 56.75,45.003 72.75,45.003 72.75,41.503 68.75,41.503 68.75,34.503 56.25,34.503 56.25,39.003
powerVDD_S1 on Top Copper Layer "Top Layer-Power-PowerVDD" (solid, pour order 576): 52.9,64.503 52.9,66.503 56.75,66.503 56.75,70.503 72.75,70.503 72.75,67.003 68.75,67.003 68.75,60.003 56.25,60.003 56.25,64.503
LDO+_S1 on Top Copper Layer "Top Layer-Power-LDO+" (solid, pour order 574): 71.75,57.003 71.25,57.503 54.75,57.503 54.75,52.003 66.75,52.003 66.75,54.003 67.75,55.003 69.75,55.003 69.75,56.503
NetC10_S1_2 on Top Copper Layer "Top Layer-Power-NetC10_2" (solid, pour order 572): 77.25,57.753 77.25,61.253 76.5,61.253 76.5,63.253 78.25,63.253 78.25,57.753
NetC10_S1_1 on Top Copper Layer "Top Layer-Power-NetC10_1" (solid, pour order 570): 75.25,57.753 74.25,57.753 74.25,63.253 76,63.253 76,61.253 75.25,61.253
NetC10_S2_1 on Top Copper Layer "Top Layer-Power-NetC10_1" (solid, pour order 569): 75.25,32.253 74.25,32.253 74.25,37.753 76,37.753 76,35.753 75.25,35.753
NetC10_S2_2 on Top Copper Layer "Top Layer-Power-NetC10_2" (solid, pour order 571): 77.25,32.253 77.25,35.753 76.5,35.753 76.5,37.753 78.25,37.753 78.25,32.253
LDO+_S2 on Top Copper Layer "Top Layer-Power-LDO+" (solid, pour order 573): 71.75,31.503 71.25,32.003 54.75,32.003 54.75,26.503 66.75,26.503 66.75,28.503 67.75,29.503 69.75,29.503 69.75,31.003
EPAD_S1 on Top Copper Layer "Top Layer-Power-GND" (solid, pour order 585): 52.75,67.003 52.75,71.003 56.25,71.003 56.25,67.003
EPAD_S1 on Top Copper Layer "Top Layer-Power-GND" (solid, pour order 584): 52.75,41.503 52.75,45.503 56.25,45.503 56.25,41.503
abVSTIM+ on Top Copper Layer "Top Layer-HDMI-bVSTIM+" (solid, pour order 591): 182,39.25 187.25,39.25 187.25,26.5 181,26.5 181,29.5 185.25,29.5 185.25,36.75 182,36.75
VSTIM+ on Top Copper Layer "Top Layer-VSTIM+" (solid, pour order 555): 141.75,24.75 139,24.75 138.25,24 138.25,23.5 136.75,23.5 136.75,23 135.25,23 135.25,8.75 138,6 151.75,6 151.75,15.5 154.5,18.25 154.5,23.25 152.75,23.25 152.75,20.75 151.75,20.75 151.75,17 151.75,17.25 151.25,16.75 149.25,14.75 149.25,8.25 139.25,8.25 139.25,8.75 137.5,8.75 137.5,19.25 137.75,19.5 139.25,19.5 139.25,23.75 141.75,23.75
VSTIM- on Top Copper Layer "Top Layer-VSTIM-" (solid, pour order 556): 135,24.25 134.5,24.25 134.5,18 130.5,14 130.5,6 118,6 115.25,8.75 115.25,23 116.75,23 116.75,23.5 118.25,23.5 118.25,24 119,24.75 121.75,24.75 121.75,21.5 127.75,21.5 127.75,27.5 121.75,27.5 121.75,25.75 118.25,25.75 118.25,24.65 118.1,24.5 116.25,24.5 115.75,24 111.75,24 111.75,4.25 118,4.25 135,4.25
VSTIM- on Top Copper Layer "Top Layer-VSTIM-" (solid, pour order 557): 156,26.5 155.25,26.5 153.75,26.5 153.75,24.5 154.5,24.5 154.5,18 151.75,15.25 151.75,6 138,6 135.25,8.75 135.25,23 136.75,23 136.75,23.5 138.25,23.5 138.25,24 139,24.75 141.75,24.75 141.75,21.5 147.75,21.5 147.75,27.5 141.75,27.5 141.75,25.75 138.25,25.75 138.25,24.65 138.1,24.5 136.25,24.5 135.75,24 134.25,24 134.25,23 134.25,8.75 134.25,4.25 138,4.25 156,4.25
VDD on Top Copper Layer "Bottom Layer-VDD" (solid, pour order 567): 167,0 102.5,0 102.5,27.5 167,27.5
Power_in_S1 on Top Copper Layer "Top Layer-Power-PowerIn" (solid, pour order 586): 50.25,14.503 57.25,14.503 57.25,18.503 54.25,18.503 54.25,31.503 73.75,31.503 73.75,34.503 55.75,34.503 55.75,39.003 52.75,39.003 52.75,57.003 73.75,57.003 73.75,60.003 55.75,60.003 55.75,64.003 52.75,64.003 52.75,71.503 75.25,71.503 75.25,80.503 86.25,80.503 86.25,85.503 70.25,85.503 70.25,75.003 50.25,75.003 50.25,64.003 50.25,57.003 50.25,33.003 50.25,31.503
EPAD_S1 on Top Copper Layer "Top Layer-Power-PowerGND" (solid, pour order 587): 50.25,87.503 97.5,87.503 97.5,12.503 50.25,12.503
abGND on Top Copper Layer "Top Layer-HDMI-GND" (solid, pour order 603): 172,46 188.25,46 188.25,17.5 172,17.5
bGND on Top Copper Layer "Top Layer-HDMI-GND" (solid, pour order 604): 172,87.5 188.25,87.5 188.25,51 172,51
no net on Top Copper Layer "Top Layer-No Net 2" (solid, pour order 637): 25.977,22.083 31.877,22.083 31.877,31.083 25.977,31.083
lbGND on Internal Copper Layer 2 "Signal Layer 2-No Net" (solid, pour order 641): 0,0 45.085,0 45.085,87.503 0,87.503
powerVDD_S2 on Internal Copper Layer 2 "Sig2-Power-VDD2" (solid, pour order 623): 50.25,46.503 97.5,46.503 97.5,12.503 50.25,12.503
powerVDD_S1 on Internal Copper Layer 2 "Sig2-Power-VDD1" (solid, pour order 621): 50.25,87.503 97.5,87.503 97.5,46.503 50.25,46.503
VDD on Internal Copper Layer 2 "Sig4-VDD" (solid, pour order 568): 167,0 102.5,0 102.5,27.5 167,27.5
bGND on Internal Copper Layer 2 "Top Layer-HDMI-GND" (solid, pour order 596): 172,87.5 188.25,87.5 188.25,51 172,51
abGND on Internal Copper Layer 2 "Top Layer-HDMI-GND" (solid, pour order 595): 172,46 188.25,46 188.25,17.5 172,17.5
lbVDD on Internal Copper Layer 1 "VDD" (solid, pour order 631): 33.528,87.5 33.528,80.899 28.448,80.899 11.984,80.899 11.984,10.183 18.392,10.183 18.415,10.16 23.368,15.113 45.085,15.113 45.085,87.5
lbVSTIM+ on Internal Copper Layer 1 "Signal Layer 1-bVSTIM+" (solid, pour order 627): 30.988,4.318 39.243,12.573 45.085,12.573 45.085,15.113 12.065,15.113 12.065,85.979 7.112,85.979 7.112,4.318
EPAD_S1 on Internal Copper Layer 1 "Sig2-Power-GND" (solid, pour order 625): 50.25,87.503 97.5,87.503 97.5,12.503 50.25,12.503
bGND on Internal Copper Layer 1 "Top Layer-HDMI-GND" (solid, pour order 600): 172,87.5 188.25,87.5 188.25,51 172,51
abGND on Internal Copper Layer 1 "Top Layer-HDMI-GND" (solid, pour order 599): 172,46 188.25,46 188.25,17.5 172,17.5
GND on Internal Copper Layer 1 "Sig2-GND" (solid, pour order 566): 167,0 102.5,0 102.5,27.485 167,27.485
lbVSTIM- on Internal Copper Layer 1 "Signal Layer 1-bVSTIM-" (solid, pour order 629): 0,0 45.085,0 44.83,14.111 38.495,14.111 31.057,6.673 7.112,6.673 7.112,87.503 0,87.503

## Keep-outs
Keep-Out Layer:
  rectangle: 45.085,0 50.25,87.503
  rectangle: 97.5,0 102.5,87.503
  rectangle: 102.5,46 188.25,51
  rectangle: 167,0 172,87.503

## Other copper
Top Copper Layer:
  region: 99.5,36.503

## Silkscreen, mask and mechanical layers (free items; w line width, h text height)
Top Overlay:
  circle w0.254: c182.27,36.678 r0.076
  circle w0.254: c184.27,36.678 r0.076
  circle w0.254: c184.27,78.178 r0.076
  circle w0.254: c182.27,78.178 r0.076
  text "12V IN" at 57.5,86.003 h1 r270
  text "VS-" at 14.097,83.566 h1.52
  text "N2BL2019" at 78.5,69.753 h1.6
  text "N2BL" at 182.5,65.75 h1
  text "VS+" at 14.097,63.754 h1.52
  text "VSTIM+" at 91.25,63.503 h1
  text "VSTIM-" at 91.25,62.003 h1
  text "VDD" at 91.25,60.503 h1
  text "GND" at 91.25,59.003 h1
  text "." at 78.562,54.762 h1.52
  text "." at 30.531,52.172 h1.52
  text "VS-" at 14.097,43.688 h1.52
  text "VSTIM+" at 91.25,38.003 h1
  text "VSTIM-" at 91.25,36.503 h1
  text "VDD" at 91.25,35.003 h1
  text "GND" at 91.25,33.503 h1
  text "." at 27.229,30.81 h1.52
  text "U3" at 21.844,30.404 h1.52
  text "." at 78.588,29.286 h1.52
  text "." at 120.091,26.848 h1.52
  text "." at 140.183,26.848 h1.52
  text "P22" at 39.878,26.543 h1.52
  text "LVDSen" at 150.5,24.25 h1 r90
  text "N2BL" at 183.001,24.25 h1
  text "VS+" at 14.097,23.622 h1.52
  text "Power" at 51.79,20.503 h1
  text "GND" at 57.25,20.503 h1
  text "cGND" at 60.75,20.503 h1
  text "GND" at 154.25,18.5 h1 r180
  text "VDD" at 33.274,18.034 h1.52
  text "MISO" at 152.5,17 h1 r180
  text "SCLK" at 144.75,16.75 h1 r180
  text "GND" at 76.75,16.503 h1 r270
  text "MODE" at 79.25,16.503 h1 r270
  text "PIN" at 81.75,16.503 h1 r270
  text "PNEG" at 84.25,16.503 h1 r270
  text "LDO-" at 87.25,16.503 h1 r270
  text "ADJ-" at 89.75,16.503 h1 r270
  text "LDO-" at 92.25,16.503 h1 r270
  text "LDO+" at 95.75,16.503 h1 r270
  text "GND" at 33.274,15.494 h1.52
  text "VDD" at 153,15.5 h1 r180
  text "MOSI" at 148.25,14.75 h1 r180
  text "VSTIM-" at 132.5,14 h1 r270
  text "VSTIM+" at 156.75,14 h1 r180
  text "CS" at 140,13.75 h1 r180
  text "VS+" at 33.274,12.954 h1.52
  text "VS-" at 33.274,10.541 h1.52
  text "CGND" at 34.671,8.001 h0.76
  text "P30" at 38.405,0.838 h1.52
Bottom Overlay:
  lines w0.15: 102.77,69.323 102.77,71.806 ; 102.775,61.506 102.775,64.188 ; 166.68,69.323 166.68,71.806 ; 166.685,61.506 166.685,64.188
  text "." at 148.996,26.899 h1.52
  text "." at 129.159,26.873 h1.52
  text "Vref" at 112,26 h1
  text "VST-" at 114.25,22.715 h1
  text "VST+" at 114.25,20 h1
  text "GND" at 113.5,17.5 h1
  text "cGND" at 114.5,15 h1
  text "VSTIM-" at 138,13.25 h1
  text "VSTIM+" at 156.75,13 h1
Fab Notes - M2:
  rectangle: 167,0 172,87.503
  rectangle: 97.5,0 102.5,87.5
  rectangle: 45.25,0 50.25,87.5
  rectangle: 102.5,46 188.25,51
  text "V-CUT 5mm Clearance" at 48.25,88 h1 r90
  text "V-CUT 5mm Clearance" at 100.5,88 h1 r90
  text "V-CUT 5mm Clearance" at 170,88 h1 r90
  text "V-CUT 5mm Clearance" at 188.75,48 h1
PCB Info - M3:
  lines w0.15: 0,0 45.085,0 45.085,87.503 0,87.503 0,0
  lines w0.198: 167,46 102.5,46 102.5,0 167,0 167,46 ; 167,46 167,46 ; 50.25,12.503 50.25,87.503 97.5,87.503 97.5,87.503 97.5,12.503 50.25,12.503 ; 102.5,51 102.5,87.503 167,87.503 167,51 102.5,51 ; 172,9.5 188.25,9.5 188.25,46 172,46 172,9.5 ; 172,51 188.25,51 188.25,87.5 172,87.5 172,51
Parent Board Outline - M4:
  lines w0.198: 188.25,-0.5 188.25,9.5 ; 188.25,0 0,0 0,87.5 188.25,87.5 188.25,10

## Text inside footprints (layer, text, board x,y; h text height)
L1: Bottom Overlay "2019" at 56,45.565 h1.3 r270; Bottom Overlay "LABORATORY" at 56,27.815 h1.3 r270; Bottom Overlay "to" at 57.5,38.065 h3 r270; Bottom Overlay "Brain" at 57.5,41.565 h3 r270; Bottom Overlay "Neuron" at 57.5,27.815 h3 r270
L2: Bottom Overlay "2019" at 164,11.75 h1.3 r90; Bottom Overlay "LABORATORY" at 164,29.5 h1.3 r90; Bottom Overlay "to" at 162.5,19.25 h3 r90; Bottom Overlay "Brain" at 162.5,15.75 h3 r90; Bottom Overlay "Neuron" at 162.5,29.5 h3 r90
L2_1: Top Overlay "LABORATORY" at 11.655,2.598 h1.3; Top Overlay "2019" at 29.405,2.598 h1.3; Top Overlay "Neuron" at 11.655,4.098 h3; Top Overlay "Brain" at 25.405,4.098 h3; Top Overlay "to" at 21.905,4.098 h3
L3: Top Overlay "LABORATORY" at 138.75,59.75 h1.3 r180; Top Overlay "2019" at 121,59.75 h1.3 r180; Top Overlay "to" at 128.5,58.25 h3 r180; Top Overlay "Brain" at 125,58.25 h3 r180; Top Overlay "Neuron" at 138.75,58.25 h3 r180
U4: Top Fab Assembly - M13 "*" at 32.931,52.102 h1.27 r180; Top Overlay "*" at 33.25,51.75 h1.27 r180; Mechanical 7 "Default Padstyle: RX66Y11D0T" at 37.579,73.631 h1.27 r180; Mechanical 7 "Pin One Padstyle: RX66Y11D0T" at 37.579,75.536 h1.27 r180; Mechanical 7 "Alt 1 Padstyle: OX60Y90D30P" at 37.262,77.441 h1.27 r180; Mechanical 7 "Alt 2 Padstyle: OX90Y60D30P" at 37.262,79.346 h1.27 r180; Mechanical 7 "1.968504E-02in/.5mm" at 41.44,52.821 h0.64 r180